# Altium PCB PS-010 Main.PcbDoc (part 2 of 2)
Units mil, origin at the board's own origin, x right, y up, seen from the top; angles counter-clockwise.
Board outline 1750 x 1750 mil, 4 copper layers (L1 - Top Layer, L2 - GND, L3 - PWR, L4 - Bottom Layer), stack 62.178 mil thick; 149 components, 111 nets, 675 pads, 347 vias.
Unrouted connection lines stored in the file: 6.
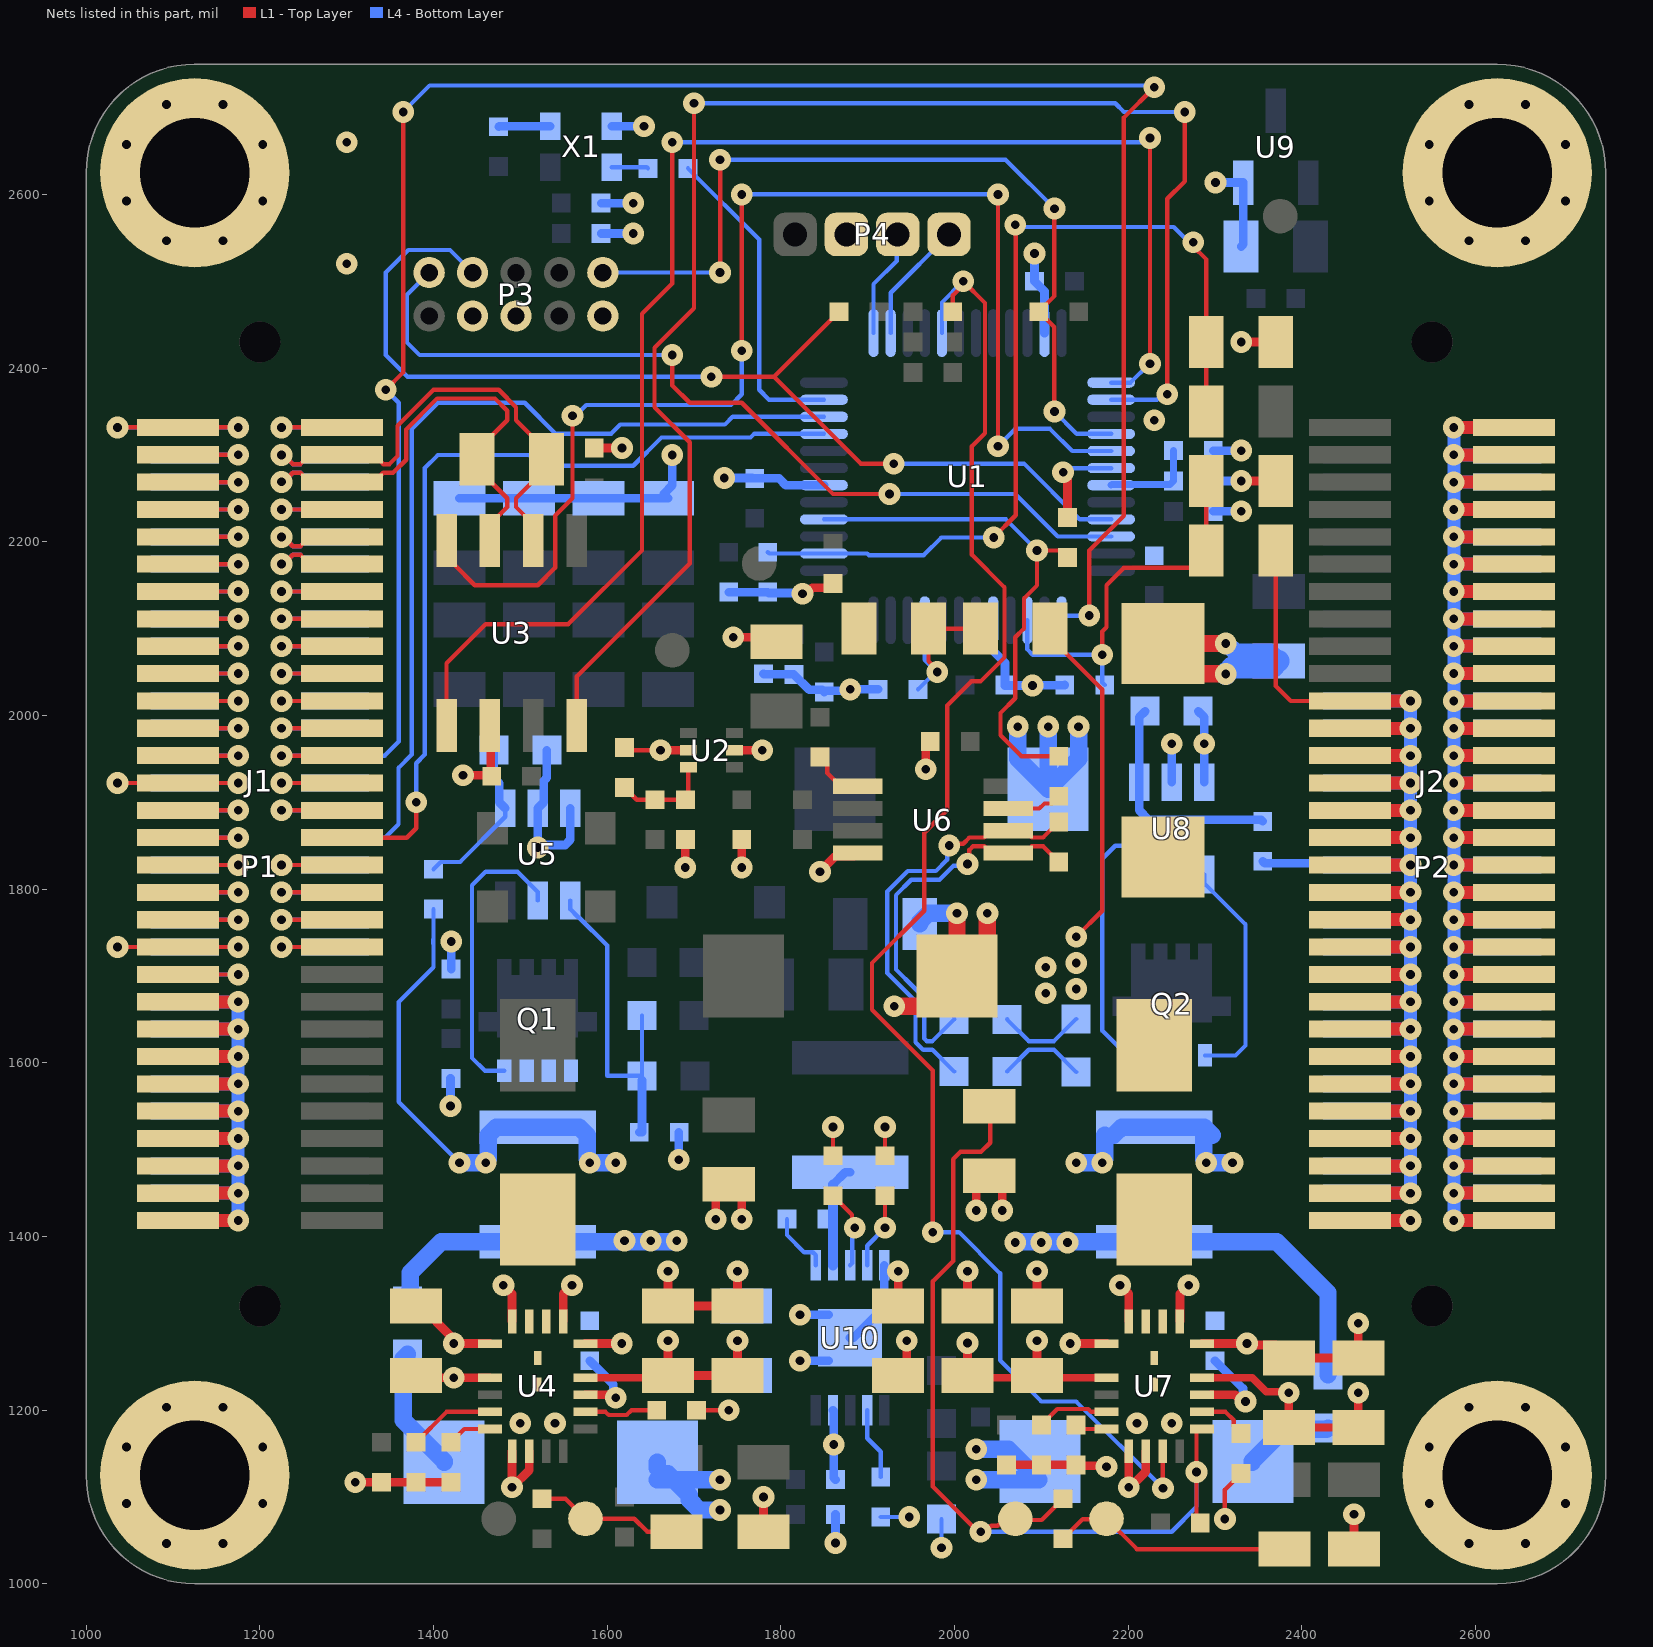
[diagram p4: the nets of this part, all layers, seen from the top]

## Via types
v1: diameter 25, hole 10, L1 - Top Layer to L4 - Bottom Layer, tented both sides, 347 vias

## Nets (pads, with @x,y where several pads share a name; then routed paths per layer and width w, separated by ;. In a path a pad name is that pad's centre, name@x,y a point inside that pad or via, vN(x,y) a via of type N, cw(c..) or ccw(c..) an arc to the next point about the centre after c; other vN are vias at no path point) (continued)
+12V_I_Sense_N: C41.2 R20.1 U6.6 | length 490.9
  L1 - Top Layer w5: v1(1993.79,1850.21) 1995.86,1852.28 2010,1852.28 2017.13,1859.41 2034.13,1859.41 2041.93,1867.2 U6.6@2061.61,1867.2 2081.3,1867.2 2089.09,1859.41 2102,1859.41 C41.2@2120,1877.41
  L4 - Bottom Layer w5: v1(1993.79,1850.21) 1991.72,1848.14 1991.72,1834 1978.52,1820.8 1946.05,1820.8 1922.5,1797.25 1922.5,1703.36 1952.93,1672.93 1955,1670.86 1955,1623.79 1963.79,1615 1974.49,1615 R20.1@1999.49,1590
+12V_I_Sense_P: C41.1 R19.1 U6.5 | length 457.7
  L1 - Top Layer w5: v1(2015,1829) 2017.07,1831.07 2017.07,1845.21 2021.27,1849.41 2034.13,1849.41 2041.93,1841.61 U6.5@2061.61,1841.61 2081.3,1841.61 2089.09,1849.41 2102,1849.41 C41.1@2120,1831.41
  L4 - Bottom Layer w5: R19.1@1999.49,1650 1974.49,1625 1967.93,1625 1965,1627.93 1965,1675 1952.93,1687.07 1932.5,1707.5 1932.5,1793.11 1950.2,1810.8 1982.66,1810.8 1998.79,1826.93 2012.93,1826.93 v1(2015,1829)
+12V_IMON: C62.2 R53.1 U1.16 | length 606
  L1 - Top Layer w5: R53.1@2120,1953 2077,1953 2052.83,1977.17 2052.83,2002.83 2069.79,2019.79 2069.79,2042.77 2070,2042.98 2070,2090 2080,2100 2080,2134.79 2095,2149.79 v1(2095,2190) 2122,2190 C62.2@2130,2182
  L4 - Bottom Layer w5: U1.16@1849.65,2225.79 2059.21,2225.79 v1(2095,2190)
+12V_INT: C32.1 C34.1 C38.1 L4.2 R18.1 R19.2 R38.2 R48.2 TP4.1 U7.1 | length 1576.5
  L1 - Top Layer w5: C32.1@2040,1550 2041,1549 2041,1508 2030.5,1497.5 2006.89,1497.5 1998.51,1489.12 1998.51,1371.8 1975.01,1348.3 1975.01,1112.01 2027.02,1060 2035.41,1060 2042.23,1066.82 2049.57,1066.82 2051.06,1068.3 2063.3,1068.3 TP4.1@2070,1075 2071.49,1073.51 2100.51,1073.51 R38.2@2125,1098 ; R48.2@2110,2100 2110,2090 2170,2030 2170,1775 v1(2140,1745) ; C38.1@2283,1070 2278.68,1074.32 v1(2278.68,1128.75) 2278.68,1175.89 2281.1,1178.31 U7.1@2285.12,1178.31
  L4 - Bottom Layer w5: v1(2030,1060) 2250,1060 2278.68,1088.68 v1(2278.68,1128.75) ; R19.2@2060.51,1650 2085.51,1625 2114.49,1625 R18.1@2140,1650.51
  other v1: 2105,1680 2140,1685 2105,1710 2140,1715
+12V_INT_VMON: C59.2 R48.1 R51.1 U1.9 | length 210
  L1 - Top Layer w5: v1(1980,2050) 1980,2052.5 1970,2062.5 R51.1@1970,2100 R48.1@2030,2100
  L4 - Bottom Layer w5: C59.2@1958,2030 1978,2050 v1(1980,2050) 1965.79,2064.21 U1.9@1965.79,2109.65
+12V_PG: R17.1 U1.29 U7.19 | length 1823.8
  L1 - Top Layer w5: v1(1975,1405) 1975,1591.16 1905,1661.16 1905,1715 1965,1775 1965,1865 1991.49,1891.49 1991.49,2011.49 2019.19,2039.19 2029.8,2039.19 2057.5,2066.89 2057.5,2147.5 2020,2185 2020,2310 2035,2325 2035,2475 v1(2010,2500) 2010,2495.72 1998,2483.72 R17.1@1998,2465 ; U7.19@2239.84,1152.72 2239.92,1152.64 2239.92,1110.08 v1(2240,1110)
  L4 - Bottom Layer w5: v1(1975,1405) 2005,1405 2052.5,1357.5 2052.5,1257.5 2100,1210 2140,1210 v1(2240,1110) ; U1.29@1985.47,2440.35 1985.47,2475.47 v1(2010,2500)
+12V_VMON: C55.2 R40.1 R44.1 U1.14 | length 1055.2
  L1 - Top Layer w5: v1(2045,2205) 2070.5,2230.5 2070.5,2564.5 v1(2070,2565) ; v1(2275,2545) 2275,2540 2290,2525 R44.1@2290,2430 R40.1@2290,2350
  L4 - Bottom Layer w5: C55.2@1785,2188 1786.58,2186.42 1899.59,2186.42 1901.51,2184.5 1964.35,2184.5 1984.85,2205 v1(2045,2205) ; v1(2070,2565) 2072.5,2562.5 2252.5,2562.5 2270,2545 v1(2275,2545)
+VBAT: J2.21 J2.23 J2.25 J2.27 J2.29 J2.31 J2.33 J2.35 J2.37 J2.39 J2.41 J2.43 J2.45 J2.47 J2.49 J2.51 J2.53 J2.55 J2.57 L1.1 L3.1 P2.21 P2.23 P2.25 P2.27 P2.29 P2.31 P2.33 P2.35 P2.37 P2.39 P2.41 P2.43 P2.45 P2.47 P2.49 P2.51 P2.53 P2.55 P2.57 R15.2 R25.2 R41.2 | length 4249.1
  L1 - Top Layer w5: R41.2@2370,2190 2370,2034 2387.27,2016.73 J2.21@2455.51,2016.73
  L1 - Top Layer w15: J2.57@2455.51,1449.8 v1(2525,1449.8) ; J2.55@2455.51,1481.3 v1(2525,1481.3) ; J2.53@2455.51,1512.8 v1(2525,1512.8) ; J2.51@2455.51,1544.29 v1(2525,1544.29) ; J2.49@2455.51,1575.79 v1(2525,1575.79) ; J2.47@2455.51,1607.28 v1(2525,1607.28) ; J2.45@2455.51,1638.78 v1(2525,1638.78) ; J2.43@2455.51,1670.28 v1(2525,1670.28) ; J2.41@2455.51,1701.77 v1(2525,1701.77) ; J2.39@2455.51,1733.27 v1(2525,1733.27) ; J2.37@2455.51,1764.76 v1(2525,1764.76) ; J2.35@2455.51,1796.26 v1(2525,1796.26) ; J2.33@2455.51,1827.76 v1(2525,1827.76) ; J2.31@2455.51,1859.25 v1(2525,1859.25) ; J2.29@2455.51,1890.75 v1(2525,1890.75) ; J2.27@2455.51,1922.24 v1(2525,1922.24) ; J2.25@2455.51,1953.74 v1(2525,1953.74) ; J2.23@2455.51,1985.24 v1(2525,1985.24) ; J2.21@2455.51,2016.73 v1(2525,2016.73)
  L4 - Bottom Layer w5: R15.2@1400,1777 1400,1744.3 ccw(c1420.51,1739.79) 1400,1735.29 1400,1710 1360,1670 1360,1555 v1(1430,1485)
  L4 - Bottom Layer w10: R25.2@2355,1832 2357.12,1829.88 2461.26,1829.88 P2.33@2463.39,1827.76
  L4 - Bottom Layer w15: P2.57@2463.39,1449.8 v1(2525,1449.8) v1(2525,1481.3) ; P2.55@2463.39,1481.3 v1(2525,1481.3) ; P2.53@2463.39,1512.8 v1(2525,1512.8) ; P2.51@2463.39,1544.29 v1(2525,1544.29) ; P2.49@2463.39,1575.79 v1(2525,1575.79) ; P2.47@2463.39,1607.28 v1(2525,1607.28) ; P2.45@2463.39,1638.78 v1(2525,1638.78) ; P2.43@2463.39,1670.28 v1(2525,1670.28) ; P2.41@2463.39,1701.77 v1(2525,1701.77) ; P2.39@2463.39,1733.27 v1(2525,1733.27) ; P2.37@2463.39,1764.76 v1(2525,1764.76) ; P2.35@2463.39,1796.26 v1(2525,1796.26) ; P2.33@2463.39,1827.76 v1(2525,1827.76) ; P2.31@2463.39,1859.25 v1(2525,1859.25) ; P2.29@2463.39,1890.75 v1(2525,1890.75) ; P2.27@2463.39,1922.24 v1(2525,1922.24) ; P2.25@2463.39,1953.74 v1(2525,1953.74) ; P2.23@2463.39,1985.24 v1(2525,1985.24) ; P2.21@2463.39,2016.73 v1(2525,2016.73) v1(2525,1985.24) ; v1(2525,1481.3) v1(2525,1512.8) ; v1(2525,1512.8) v1(2525,1544.29) ; v1(2525,1544.29) v1(2525,1575.79) ; v1(2525,1575.79) v1(2525,1607.28) ; v1(2525,1607.28) v1(2525,1638.78) ; v1(2525,1638.78) v1(2525,1670.28) ; v1(2525,1670.28) v1(2525,1701.77) ; v1(2525,1701.77) v1(2525,1733.27) ; v1(2525,1733.27) v1(2525,1764.76) ; v1(2525,1764.76) v1(2525,1796.26) ; v1(2525,1796.26) v1(2525,1827.76) ; v1(2525,1827.76) v1(2525,1859.25) ; v1(2525,1859.25) v1(2525,1890.75) ; v1(2525,1890.75) v1(2525,1922.24) ; v1(2525,1922.24) v1(2525,1953.74) ; v1(2525,1953.74) v1(2525,1985.24)
  L4 - Bottom Layer w20: v1(1430,1485) v1(1460,1485) 1460,1486.35 1463.07,1489.42 1463.07,1516.65 1472.36,1525.94 L1.1@1520,1525.94 1567.64,1525.94 1576.93,1516.65 1576.93,1489.42 1580,1486.35 v1(1580,1485) v1(1610,1485) ; v1(2140,1485) v1(2170,1485) 2170,1486.35 2173.07,1489.42 L3.1@2173.07,1516.65 ; L3.1@2183.07,1516.65 2192.36,1525.94 2287.64,1525.94 2296.93,1516.65 ; L3.1@2286.93,1516.65 2286.93,1489.42 2290,1486.35 v1(2290,1485) v1(2320,1485)
+VBAT_BOOTSTRAP: J2.59 P2.59 | length 131.1
  L1 - Top Layer w15: J2.59@2455.51,1418.31 v1(2525,1418.31)
  L4 - Bottom Layer w15: P2.59@2463.39,1418.31 v1(2525,1418.31)
+VBAT_FILT_A: C11.1 C14.1 C15.1 C49.1 L1.2 R6.2 R16.2 U4.4 U4.13 U10.9 | length 833.7
  L1 - Top Layer w9: U4.4@1575.12,1237.36 C14.1@1657.36,1237.36
  L1 - Top Layer w10: C11.1@1370,1240 1372.64,1237.36 v1(1423.27,1237.36) U4.13@1464.88,1237.36 ; C14.1@1657.36,1237.36 1660,1240 C14.1@1670,1240 ; v1(1670,1280) C14.1@1670,1240 ; v1(1750,1280) C15.1@1750,1240 C14.1@1670,1240
  L4 - Bottom Layer w10: v1(1750,1280) 1750,1250 C49.1@1760,1240 ; U10.9@1860,1200 1861,1199 1861,1122 R16.2@1863,1120
  L4 - Bottom Layer w20: R6.2@1370,1325.51 1373.2,1328.71 1373.2,1358.2 1409.06,1394.06 L1.2@1520,1394.06 v1@1680,1394.06 ; R6.2@1370,1331.72 R6.2@1370.53,1332.24
  other v1: 1861,1160.5 1620,1395 1650,1395 1680,1395
+VBAT_FILT_B: C27.1 C28.1 C29.1 C30.1 C45.1 L3.2 R29.2 U7.4 U7.13 | length 1019.6
  L1 - Top Layer w9: C30.1@1945,1240 C30.1@1947.64,1237.36 ; C29.1@2015,1237.36 2164.88,1237.36 U7.13@2174.88,1237.36 ; U7.4@2285.12,1237.36 2342.79,1237.36 2359,1221.15 2383.85,1221.15 v1(2385,1220) ; C45.1@2385,1180 C27.1@2465,1180
  L1 - Top Layer w10: C30.1@1945,1240 v1(1945,1280) ; C29.1@2015,1237.36 C29.1@2015,1240 v1(2015,1277.36) ; C28.1@2095,1240 v1(2095,1280) ; C45.1@2385,1180 v1(2385,1220) ; C27.1@2465,1180 v1(2465,1220)
  L4 - Bottom Layer w20: v1@2070,1394.06 2100,1394.06 2130,1394.06 L3.2@2230,1394.06 ; L3.2@2240,1394.06 2370.95,1394.06 2430,1335 R29.2@2430,1240.51
  other v1: 2070,1393.11 2100,1393.11 2130,1393.11
+VBAT_VMON: C56.2 R41.1 R45.2 U1.3 | length 453.5
  L1 - Top Layer w5: v1(2170,2070) 2170,2096.67 2175,2101.67 2175,2150 2195,2170 2272.5,2170 2290,2187.5 R45.2@2290,2270
  L4 - Bottom Layer w5: U1.3@2083.9,2109.65 2083.9,2076.1 2090,2070 v1(2170,2070) 2170,2038 C56.2@2173,2035
CAN0_N: J1.4 P1.4 R1.2 U3.6 | length 633.2
  L1 - Top Layer w5: v1(1225,2299.95) 1227.43,2299.95 1237.93,2289.45 1246.82,2289.45 1249.74,2292.38 1249.74,2292.85 1257.09,2300.2 J1.4@1294.49,2300.2 1331.89,2300.2 1339.23,2292.85 1339.23,2292.38 1342.16,2289.45 1349.23,2289.45 1358.5,2298.72 1358.5,2333.5 1400,2375 1475,2375 1495,2355 1495,2340 1530,2305 R1.2@1530,2295 ; R1.2@1512.5,2311.36 1530,2293.86 1530,2285 1495,2250 1495,2240 1515,2220 U3.6@1515,2201.3
  L4 - Bottom Layer w5: v1(1225,2299.95) 1227.43,2299.95 1237.93,2289.45 1246.82,2289.45 1249.74,2292.38 1249.74,2292.85 1257.09,2300.2 P1.4@1286.61,2300.2
CAN0_P: J1.6 P1.6 R1.1 U3.7 | length 593
  L1 - Top Layer w5: v1(1225,2268.95) 1227.43,2268.95 1237.93,2279.45 1246.82,2279.45 1249.74,2276.52 1249.74,2276.04 1257.09,2268.7 J1.6@1294.49,2268.7 1331.89,2268.7 1339.23,2276.04 1339.23,2276.52 1342.16,2279.45 1353.37,2279.45 1368.5,2294.58 1368.5,2329.36 1404.14,2365 1470.86,2365 1485,2350.86 1485,2340 1450,2305 R1.1@1450,2295 1450,2285 1485,2250 1485,2240 1465,2220 U3.7@1465,2201.3
  L4 - Bottom Layer w5: v1(1225,2268.95) 1227.43,2268.95 1237.93,2279.45 1246.82,2279.45 1249.74,2276.52 1249.74,2276.04 1257.09,2268.7 P1.6@1286.61,2268.7
CAN0_RX: U1.38 U3.4 | length 1775.5
  L1 - Top Layer w5: U3.4@1565,1988.7 1565,2045 1695,2175 1695,2314.5 1654.5,2355 1654.5,2423.49 1700,2468.99 v1(1700,2705) ; v1(2245,2370) 2245,2595 2265,2615 v1(2265,2695)
  L4 - Bottom Layer w5: v1(1700,2705) 2185,2705 2195,2695 v1(2265,2695) ; U1.38@2180.35,2363.58 2233.17,2363.58 2239.59,2370 v1(2245,2370)
CAN0_STBY: U1.41 U3.8 | length 1518.3
  L1 - Top Layer w5: U3.8@1415,2201.3 1415,2182.6 1423.81,2173.79 1447.6,2150 1520,2150 1540,2170 1540,2230 1560,2250 v1(1560,2345) ; v1(1755,2420) v1(1755,2600) ; v1(2050,2310) v1(2050,2600)
  L4 - Bottom Layer w5: v1(1560,2345) 1563.28,2345 1575.78,2357.5 1742.5,2357.5 1755,2370 v1(1755,2420) ; v1(1755,2600) v1(2050,2600) ; v1(2050,2310) 2070,2330 2110,2330 2135.47,2304.53 U1.41@2180.35,2304.53
CAN0_TX: U1.37 U3.1 | length 1700.4
  L1 - Top Layer w5: U3.1@1415,1988.7 1415,2060 1460,2105 1555,2105 1640,2190 1640,2462.5 1675,2497.5 v1(1675,2660) ; v1(2225,2405) v1(2225,2665)
  L4 - Bottom Layer w5: v1(1675,2660) 2220,2660 v1(2225,2665) ; U1.37@2180.35,2383.27 2202.64,2383.27 2224.37,2405 v1(2225,2405)
CAN1_N: J1.10 P1.10 | length 149.3
  L1 - Top Layer w5: v1(1225,2205.46) 1227.43,2205.46 1237.93,2194.96 1246.82,2194.96 1249.74,2197.89 1249.74,2198.37 1257.09,2205.71 J1.10@1294.49,2205.71
  L4 - Bottom Layer w5: v1(1225,2205.46) 1227.43,2205.46 1237.93,2194.96 1246.82,2194.96 1249.74,2197.89 1249.74,2198.37 1257.09,2205.71 P1.10@1286.61,2205.71
CAN1_P: J1.12 P1.12 | length 149.3
  L1 - Top Layer w5: v1(1225,2174.46) 1227.43,2174.46 1237.93,2184.96 1246.82,2184.96 1249.74,2182.03 1249.74,2181.55 1257.09,2174.21 J1.12@1294.49,2174.21
  L4 - Bottom Layer w5: v1(1225,2174.46) 1227.43,2174.46 1237.93,2184.96 1246.82,2184.96 1249.74,2182.03 1249.74,2181.56 1257.09,2174.21 P1.12@1286.61,2174.21
CTRL_SYNC: J1.26 P1.26 U1.1 | length 2503.2
  L1 - Top Layer w5: v1(1225,1953.74) J1.26@1294.49,1953.74 ; v1(1345,2375) 1365,2395 v1(1365,2695) ; v1(2155,2115) 2155,2190 2195,2230 2195,2688.5 v1(2230,2723.5)
  L4 - Bottom Layer w5: v1(1225,1953.74) P1.26@1286.61,1953.74 1343.74,1953.74 1360,1970 1360,2360 v1(1345,2375) ; v1(1365,2695) 1395.5,2725.5 v1@2230,2725.5 ; U1.1@2123.27,2109.65 2123.27,2111.85 2126.41,2115 v1(2155,2115)
DEBUG_RX: P4.4 U1.26 | length 141.4
  L4 - Bottom Layer w5: U1.26@1926.42,2440.35 1926.42,2486.73 P4.4@1993.58,2553.9
DEBUG_TX: P4.3 U1.25 | length 125.1
  L4 - Bottom Layer w5: U1.25@1906.73,2440.35 1906.73,2496.73 1933.41,2523.41 1933.41,2552.78 P4.3@1934.53,2553.9
DETECT_A: J1.32 U1.21 | length 995.3
  L1 - Top Layer w5: J1.32@1294.49,1859.25 1369.25,1859.25 1380,1870 v1(1380,1900)
  L4 - Bottom Layer w5: v1(1380,1900) 1380,1945 1390,1955 1390,2285 1405,2300 1510,2300 1522.5,2287.5 1630,2287.5 1662.5,2320 1765,2320 1769.21,2324.21 U1.21@1849.65,2324.21
DETECT_B: P1.32 U1.22 | length 1050.9
  L4 - Bottom Layer w5: P1.32@1286.61,1859.25 1344.25,1859.25 1359.63,1874.63 1359.63,1939.63 1375,1955 1375,2330 1405,2360 1505,2360 1540.5,2324.5 1570,2324.5 1604.51,2324.5 1615.01,2335 1735.56,2335 1744.45,2343.9 U1.22@1849.65,2343.9
DRAIN: J1.1 J1.2 J1.8 J1.14 J1.20 J1.24 J1.27 J1.28 J1.39 J1.40 P1.1 P1.2 P1.8 P1.14 P1.20 P1.24 P1.27 P1.28 P1.39 P1.40 pad.0 | length 1704.3
  L1 - Top Layer w5: v1(1036.02,1733.27) J1.39@1105.51,1733.27 v1(1175,1733.27) ; v1(1036.02,1922.24) J1.27@1105.51,1922.24 v1(1175,1922.24) ; v1(1036.02,2331.69) J1.1@1105.51,2331.69 v1(1175,2331.69) ; v1(1225,1733.27) J1.40@1294.49,1733.27 ; v1(1225,1922.24) J1.28@1294.49,1922.24 ; v1(1225,1985.24) J1.24@1294.49,1985.24 ; v1(1225,2048.23) J1.20@1294.49,2048.23 ; v1(1225,2142.72) J1.14@1294.49,2142.72 ; v1(1225,2237.2) J1.8@1294.49,2237.2 ; v1(1225,2331.69) J1.2@1294.49,2331.69
  L4 - Bottom Layer w5: v1(1036.02,1733.27) P1.39@1097.64,1733.27 ; v1(1036.02,1922.24) P1.27@1097.64,1922.24 ; v1(1036.02,2331.69) P1.1@1097.64,2331.69 ; P1.39@1113.39,1733.27 v1(1175,1733.27) ; P1.27@1113.39,1922.24 v1(1175,1922.24) ; P1.1@1113.39,2331.69 v1(1175,2331.69) ; v1(1225,1733.27) P1.40@1286.61,1733.27 ; v1(1225,1922.24) P1.28@1286.61,1922.24 ; v1(1225,1985.24) P1.24@1286.61,1985.24 ; v1(1225,2048.23) P1.20@1286.61,2048.23 ; v1(1225,2142.72) P1.14@1286.61,2142.72 ; v1(1225,2237.2) P1.8@1286.61,2237.2 ; v1(1225,2331.69) P1.2@1286.61,2331.69
  other v1: 1092.47,1046.47 1157.53,1046.47 2592.47,1046.47 2657.53,1046.47 1046.47,1092.47 1203.53,1092.47 2546.47,1092.47 2703.53,1092.47 1046.47,1157.53 1203.53,1157.53 2546.47,1157.53 2703.53,1157.53 1092.47,1203.53 1157.53,1203.53 2592.47,1203.53 2657.53,1203.53 1092.47,2546.47 1157.53,2546.47 2592.47,2546.47 2657.53,2546.47 1046.47,2592.47 1203.53,2592.47 2546.47,2592.47 2703.53,2592.47 1046.47,2657.53 1203.53,2657.53 2546.47,2657.53 2703.53,2657.53 1092.47,2703.53 1157.53,2703.53 2592.47,2703.53 2657.53,2703.53
EN_0: J1.34 P1.34 | length 131.1
  L1 - Top Layer w5: v1(1225,1827.76) J1.34@1294.49,1827.76
  L4 - Bottom Layer w5: v1(1225,1827.76) P1.34@1286.61,1827.76
EN_1: J1.36 P1.36 | length 131.1
  L1 - Top Layer w5: v1(1225,1796.26) J1.36@1294.49,1796.26
  L4 - Bottom Layer w5: v1(1225,1796.26) P1.36@1286.61,1796.26
EN_2: J1.38 P1.38 | length 131.1
  L1 - Top Layer w5: v1(1225,1764.76) J1.38@1294.49,1764.76
  L4 - Bottom Layer w5: v1(1225,1764.76) P1.38@1286.61,1764.76
GND: C1.1 C2.1 C3.1 C4.1 C5.1 C6.1 C7.1 C8.1 C9.1 C10.1 C11.2 C12.2 C13.2 C14.2 C15.2 C17.2 C18.2 C19.1 C20.2 C21.1 C22.1 C24.1 C25.2 C27.2 C28.2 C29.2 C30.2 C32.2 C33.2 C34.2 C35.2 C36.1 C37.1 C39.1 C40.1 C42.2 C43.2 C44.2 C45.2 C47.2 C48.1 C49.2 C51.2 C52.1 C53.1 C54.1 C55.1 C56.1 C57.1 C58.1 C59.1 C60.1 C61.1 C62.1 J1.43 J1.45 J1.47 J1.49 J1.51 J1.53 J1.55 J1.57 J1.59 J2.2 J2.4 J2.6 J2.8 J2.10 J2.12 J2.14 J2.16 J2.18 J2.20 J2.22 J2.24 J2.26 J2.28 J2.30 J2.32 J2.34 J2.36 J2.38 J2.40 J2.42 J2.44 J2.46 J2.48 J2.50 J2.52 J2.54 J2.56 J2.58 J2.60 P1.43 P1.45 P1.47 P1.49 P1.51 P1.53 P1.55 P1.57 P1.59 P2.2 P2.4 P2.6 P2.8 P2.10 P2.12 P2.14 P2.16 P2.18 P2.20 P2.22 P2.24 P2.26 P2.28 P2.30 P2.32 P2.34 P2.36 P2.38 P2.40 P2.42 P2.44 P2.46 P2.48 P2.50 P2.52 P2.54 P2.56 P2.58 P2.60 P3.3 P3.5 P3.9 P4.2 R11.1 R12.1 R14.1 R21.1 R22.1 R24.1 R27.1 R28.1 R33.1 R34.1 R42.2 R43.2 R44.2 R45.1 R49.2 R50.2 R51.2 U1.5 U1.18 U1.35 U1.42 U2.2 U2.5 U3.2 U4.6 U4.7 U4.10 U4.11 U4.17 U4.18 U5.2 U5.3 U6.4 U7.6 U7.7 U7.10 U7.11 U7.17 U7.18 U8.2 U8.3 U9.A U10.5 U10.11 X1.2 | length 11707.7
  L1 - Top Layer w5: R27.1@1620,1963 1623,1960 v1(1661.43,1960) ; C22.1@1703,1200 v1(1740,1200) ; C52.1@1860,1493 v1(1860,1526) ; R33.1@1920,1493 v1(1920,1526) ; v1(2311.33,1074.67) 2311.33,1108.33 C37.1@2330,1127
  L1 - Top Layer w10: v1(1310,1117) R11.1@1340,1117 R12.1@1380,1117 C21.1@1420,1117 ; C11.2@1375,1320 1385,1320 1420.4,1284.6 1420.4,1279.6 v1(1423.27,1276.73) U4.11@1464.88,1276.73 ; v1(1434,1931) C12.2@1466,1931 ; U3.2@1465,1988.7 1466,1987.7 C12.2@1466,1931 ; C12.2@1467,1930 C12.2@1466,1931 ; v1(1480.47,1343.94) 1490.47,1333.94 U4.10@1490.47,1302.32 ; U4.17@1490.47,1152.72 v1(1490.47,1111.1) 1510.08,1130.71 1510.08,1152.64 U4.18@1510.16,1152.72 ; U4.7@1549.53,1302.32 1549.53,1333.94 v1(1559.53,1343.94) ; U4.6@1575.12,1276.73 v1(1616.73,1276.73) ; C13.2@1585,2308 v1(1617,2308) ; v1(1661.43,1960) U2.5@1693.43,1960 ; v1(1670,1360) C14.2@1670,1320 C15.2@1750,1320 v1(1750,1360) ; v1(1690,1825) C42.2@1690,1857 ; v1(1725,1420) 1725,1445 C17.2@1740,1460 1755,1445 v1(1755,1420) ; v1(1745,2090) 1790,2090 C2.1@1795,2085 ; U2.2@1746.57,1960 v1(1778.57,1960) ; v1(1755,1825) C1.1@1755,1857 ; R14.1@1780,1060 v1(1780,1100) ; v1(1825,2140) 1829.06,2140 1836.06,2147 C61.1@1860,2147 ; v1(1845,1820) 1862.76,1837.76 1884.53,1837.76 U6.4@1888.39,1841.61 ; C30.2@1935,1320 v1(1935,1360) ; v1(1967,1938) C25.2@1967,1970 ; C29.2@2015,1320 v1(2015,1360) ; v1(2025,1430) 2025,1455 C32.2@2040,1470 2055,1455 v1(2055,1430) ; R21.1@2060,1137 R22.1@2100,1137 C36.1@2140,1137 2141,1136 2174,1136 v1(2175,1135) ; C28.2@2095,1320 v1(2095,1360) ; v1(2125,2280) 2125,2275.94 2130,2270.94 C62.1@2130,2228 ; v1(2133.27,1276.73) U7.11@2174.88,1276.73 ; v1(2190.47,1343.94) 2200.47,1333.94 U7.10@2200.47,1302.32 ; U7.17@2200.47,1152.72 v1(2200.47,1111.1) 2202.31,1111.1 2220.16,1128.95 U7.18@2220.16,1152.72 ; U7.7@2259.53,1302.32 2259.53,1333.94 v1(2269.53,1343.94) ; U7.6@2285.12,1276.73 v1(2336.73,1276.73) 2338.46,1275 2370,1275 C45.2@2385,1260 C27.2@2465,1260 v1(2465,1300) ; v1(2330,2270) R45.1@2370,2270 ; v1(2330,2430) R44.2@2370,2430 ; R24.1@2460,1040 v1(2460,1080)
  L1 - Top Layer w15: J1.59@1105.51,1418.31 v1(1175,1418.31) ; J1.57@1105.51,1449.8 v1(1175,1449.8) ; J1.55@1105.51,1481.3 v1(1175,1481.3) ; J1.53@1105.51,1512.8 v1(1175,1512.8) ; J1.51@1105.51,1544.29 v1(1175,1544.29) ; J1.49@1105.51,1575.79 v1(1175,1575.79) ; J1.47@1105.51,1607.28 v1(1175,1607.28) ; J1.45@1105.51,1638.78 v1(1175,1638.78) ; J1.43@1105.51,1670.28 v1(1175,1670.28) ; v1(2575,1418.31) J2.60@2644.49,1418.31 ; v1(2575,1449.8) J2.58@2644.49,1449.8 ; v1(2575,1481.3) J2.56@2644.49,1481.3 ; v1(2575,1512.8) J2.54@2644.49,1512.8 ; v1(2575,1544.29) J2.52@2644.49,1544.29 ; v1(2575,1575.79) J2.50@2644.49,1575.79 ; v1(2575,1607.28) J2.48@2644.49,1607.28 ; v1(2575,1638.78) J2.46@2644.49,1638.78 ; v1(2575,1670.28) J2.44@2644.49,1670.28 ; v1(2575,1701.77) J2.42@2644.49,1701.77 ; v1(2575,1733.27) J2.40@2644.49,1733.27 ; v1(2575,1764.76) J2.38@2644.49,1764.76 ; v1(2575,1796.26) J2.36@2644.49,1796.26 ; v1(2575,1827.76) J2.34@2644.49,1827.76 ; v1(2575,1859.25) J2.32@2644.49,1859.25 ; v1(2575,1890.75) J2.30@2644.49,1890.75 ; v1(2575,1922.24) J2.28@2644.49,1922.24 ; v1(2575,1953.74) J2.26@2644.49,1953.74 ; v1(2575,1985.24) J2.24@2644.49,1985.24 ; v1(2575,2016.73) J2.22@2644.49,2016.73 ; v1(2575,2048.23) J2.20@2644.49,2048.23 ; v1(2575,2079.72) J2.18@2644.49,2079.72 ; v1(2575,2111.22) J2.16@2644.49,2111.22 ; v1(2575,2142.72) J2.14@2644.49,2142.72 ; v1(2575,2174.21) J2.12@2644.49,2174.21 ; v1(2575,2205.71) J2.10@2644.49,2205.71 ; v1(2575,2237.2) J2.8@2644.49,2237.2 ; v1(2575,2268.7) J2.6@2644.49,2268.7 ; v1(2575,2300.2) J2.4@2644.49,2300.2 ; v1(2575,2331.69) J2.2@2644.49,2331.69